# Altium PCB Adafruit nRF52840 Bluefruit Feather Express Rev D.PcbDoc
Units mm, origin at the board's own origin, x right, y up, seen from the top; angles counter-clockwise.
Board outline 50.8 x 22.86 mm, 4 copper layers (Top, Route2, Route15, Bottom), stack 2.11 mm thick; 44 components, 56 nets, 153 pads, 85 vias.
Unrouted connection lines stored in the file: 5.
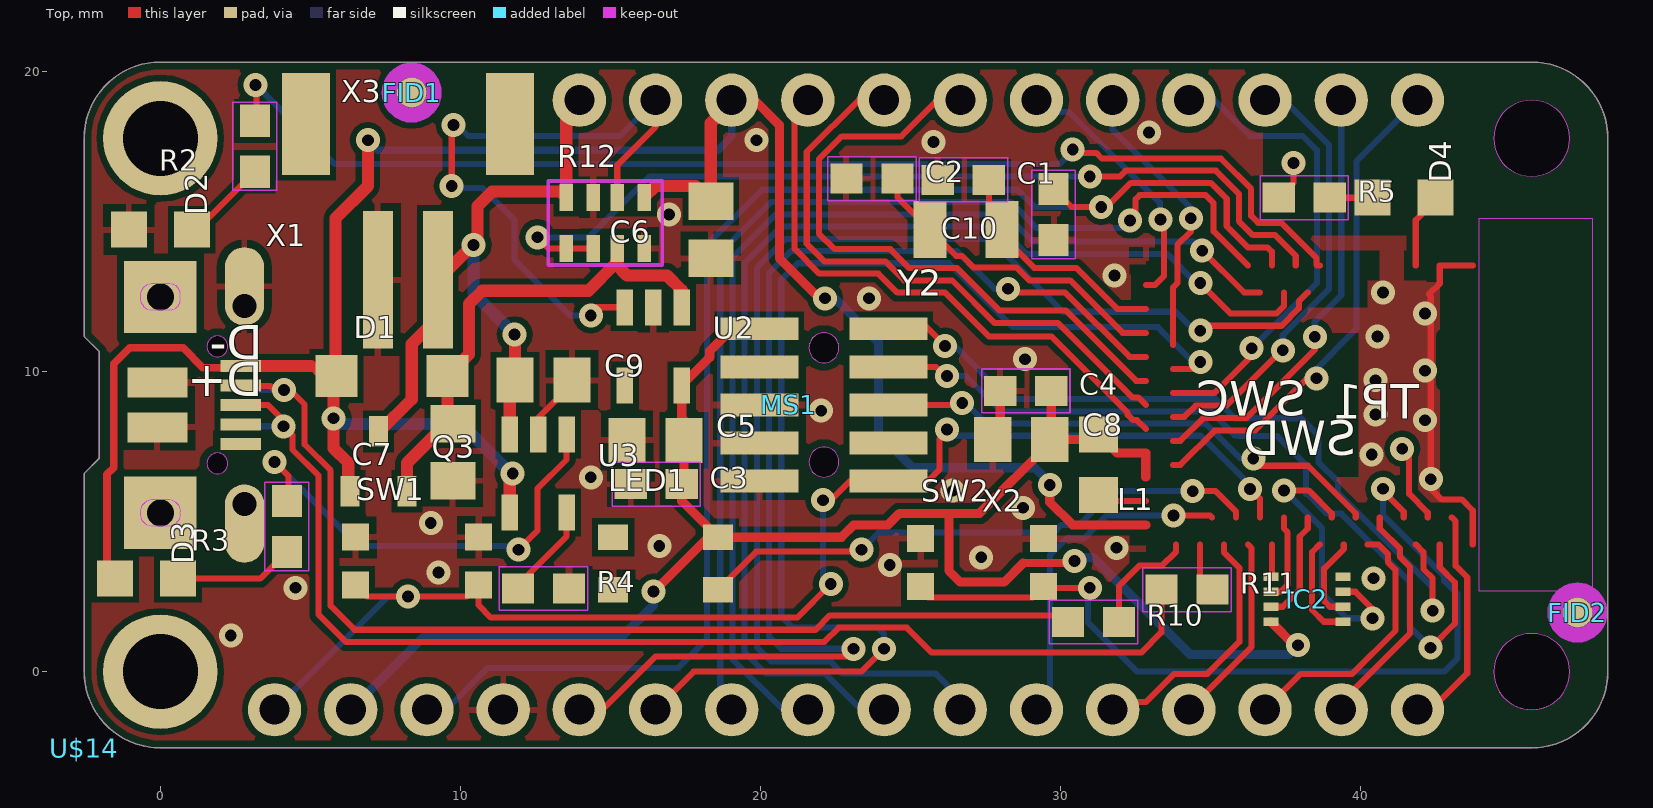
[diagram p0: Top view]
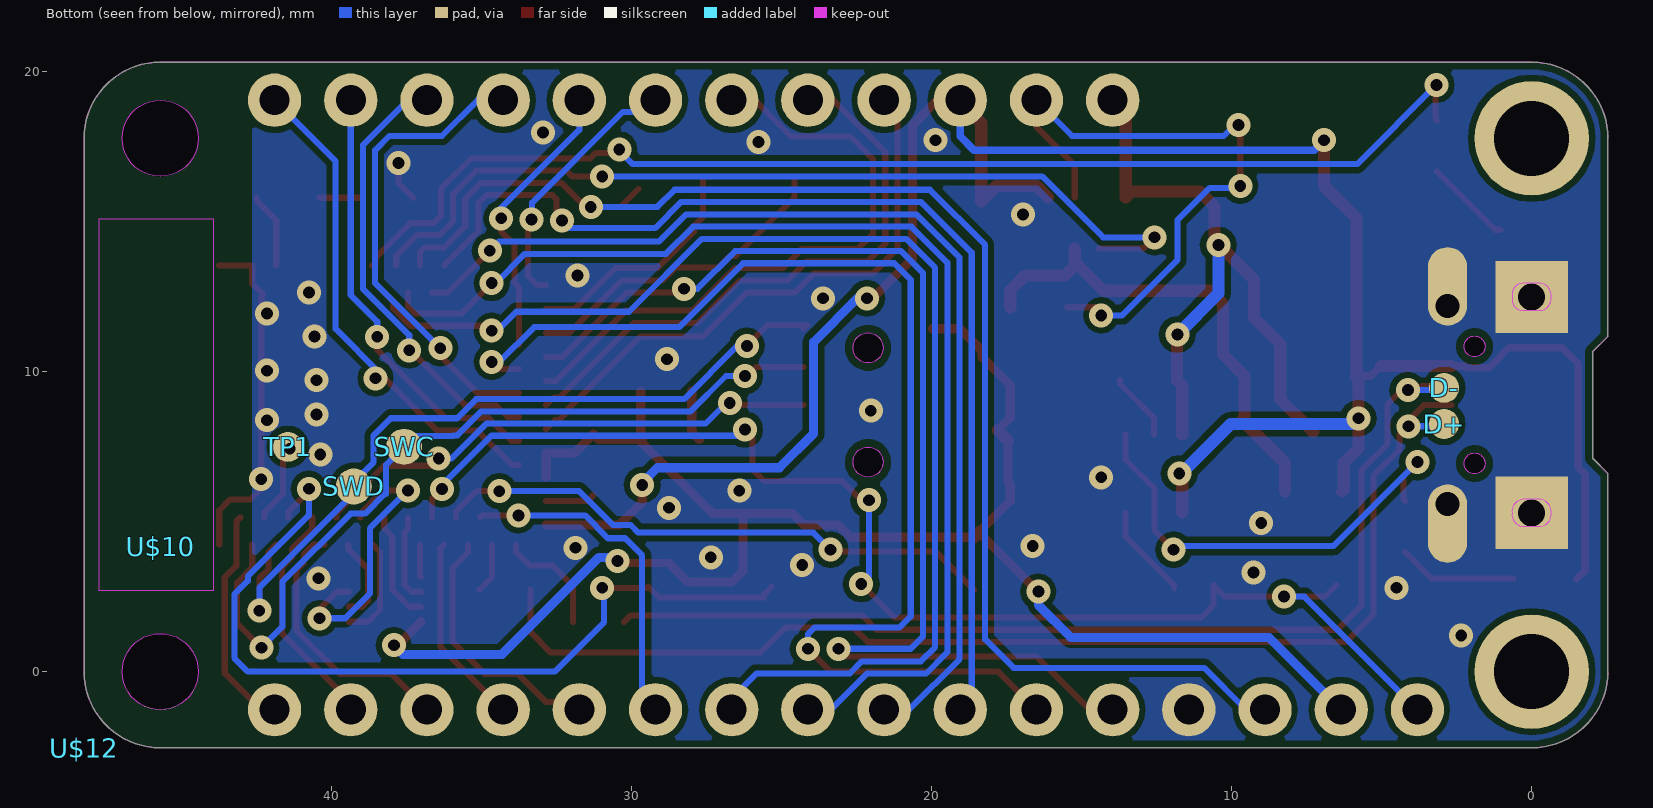
[diagram p1: Bottom view, seen from below]

## Layer stack, top to bottom
Top Solder: solder mask 0.0102, Solder Resist, Dk 3.5
Top: signal copper 0.035
Dielectric 1: dielectric 0.32, FR-4, Dk 4.8
Route2: signal copper 0.035
Dielectric 2: core 0.2, FR-4, Dk 4.8
Route15: signal copper 0.035
Dielectric 3: prepreg 1.45, FR-4, Dk 4.8
Bottom: signal copper 0.035
Bottom Solder: solder mask 0.0102, Solder Resist, Dk 3.5

## Board outline
-2.54,17.78 cw(c0,17.78) 0,20.32 45.72,20.32 cw(c45.72,17.78) 48.26,17.78 48.26,0 cw(c45.72,0) 45.72,-2.54 0,-2.54 cw(c0,0) -2.54,0 -2.54,6.604 -2.032,7.112 -2.032,10.668 -2.54,11.176
cut-out: 0.655,5.29 cw(c0.255,5.24) 0.305,4.84 -0.295,4.84 cw(c-0.245,5.24) -0.645,5.29 cw(c-0.245,5.34) -0.295,5.74 0.305,5.74 cw(c0.255,5.34)
cut-out: 1.905,6.59 ccw(c1.905,6.94) 2.255,6.94 ccw(c1.905,6.94) 1.905,7.29 ccw(c1.905,6.94) 1.555,6.94 ccw(c1.905,6.94)
cut-out: 1.905,10.49 ccw(c1.905,10.84) 2.255,10.84 ccw(c1.905,10.84) 1.905,11.19 ccw(c1.905,10.84) 1.555,10.84 ccw(c1.905,10.84)
cut-out: -0.245,12.94 0.305,12.94 cw(c0.305,12.59) 0.655,12.59 0.655,12.39 cw(c0.305,12.39) 0.305,12.04 -0.245,12.04 cw(c-0.27,12.415) -0.645,12.39 -0.645,12.59 cw(c-0.27,12.565)
cut-out: 22.123,6.485 ccw(c22.123,6.985) 22.623,6.985 ccw(c22.123,6.985) 22.123,7.485 ccw(c22.123,6.985) 21.623,6.985 ccw(c22.123,6.985)
cut-out: 22.123,10.295 ccw(c22.123,10.795) 22.623,10.795 ccw(c22.123,10.795) 22.123,11.295 ccw(c22.123,10.795) 21.623,10.795 ccw(c22.123,10.795)
cut-out: 45.72,-1.27 ccw(c45.72,0) 46.99,0 ccw(c45.72,0) 45.72,1.27 ccw(c45.72,0) 44.45,0 ccw(c45.72,0)
cut-out: 45.72,16.51 ccw(c45.72,17.78) 46.99,17.78 ccw(c45.72,17.78) 45.72,19.05 ccw(c45.72,17.78) 44.45,17.78 ccw(c45.72,17.78)

## Design rules (kind name [scope] priority, off if disabled: settings)
BoardOutlineClearance mdCopperDimension [All] p1: gap=0.254 ignorepadtopadclearanceinfootprint=FALSE except(0: Arc-SplitContinuation Track-SplitContinuation SMDPad-SplitContinuation THPad-SplitContinuation Via-SplitContinuation Fill-SplitContinuation Poly-SplitContinuation Region-SplitContinuation Text-SplitContinuation)
Clearance "Clearance (Same Net)" [All] p1: gap=0.203 ignorepadtopadclearanceinfootprint=FALSE
Clearance [All] p2: gap=0.203 ignorepadtopadclearanceinfootprint=FALSE
HoleSize HoleSize_For_NetClass_power [InNetClass('power')] p1: absolutevalues=TRUE maxlimit=0 minlimit=0 maxpercent=80.000 minpercent=20.000
HoleSize [All] p2: absolutevalues=TRUE maxlimit=2540 minlimit=0.394 maxpercent=80.000 minpercent=20.000
HoleToHoleClearance mdDrill [All] p1: gap=0.203 allowstackedmicrovias=TRUE
MinimumSolderMaskSliver [All] p1 off: minsoldermaskwidth=0.254
PasteMaskExpansion Expansion_SMDPaste_OFF [InPadClass('SMDPaste_OFF')] p1: expansion=0
PasteMaskExpansion mlMinCreamFrame [All] p2: expansion=0
PolygonConnect PolygonConnect_For_PolygonThermal_ON_Width80000_Gap100000 [InPolygonClass('PolygonThermal_ON_Width80000_Gap100000') vs Not IsVia] p1: connectstyle=Relief reliefconductorwidth=0.203 reliefentries=4 polygonreliefangle="90 Angle" airgapwidth=0.254
PolygonConnect ThermalVias [IsVia] p2: connectstyle=Direct reliefconductorwidth=0.254 reliefentries=4 polygonreliefangle="90 Angle" airgapwidth=0.254
PolygonConnect [All] p3: connectstyle=Relief reliefconductorwidth=0.254 reliefentries=4 polygonreliefangle="90 Angle" airgapwidth=0.254
RoutingVias [All] p1: holewidth=0.394 width=0.8 viastyle="Through Hole" minholewidth=0.394 minwidth=0.8 maxholewidth=2.54 maxwidth=2.54
SolderMaskExpansion Expansion_SMDSolder_OFF [InPadClass('SMDSolder_OFF')] p1: expansion=0 istentingtop=FALSE
SolderMaskExpansion mlMinStopFrame [All] p2: expansion=0.051 istentingtop=FALSE
Width Width_For_NetClass_power [InNetClass('power')] p1: maxlimit=0.254 minlimit=0.254 preferedwidth=0.254
Width [All] p2: maxlimit=0.254 minlimit=0.203 preferedwidth=0.203
26 further rules are at their usual default settings.

## Classes and differential pairs
polygon class PolygonThermal_ON_Width80000_Gap100000: Polygon_1_Net_GND Polygon_2_Net_GND
pad class SMDSolder_OFF: X1-D+ X1-D- X1-GND X1-ID X1-VBUS
pad class SMDPaste_OFF: D+-TP D--TP FID1-1 FID2-1 SWC-TP SWD-TP TP1-TP X1-D+ X1-D- X1-GND X1-ID X1-VBUS
net class power: 3.3V VBAT VBUS VHI

## Components (designator, comment, footprint, x,y, rotation, side; value= is the part's Value field where it differs from the comment)
C1 "22pF" 0603-NO 26.772,16.396 r180 top
C2 "22pF" 0603-NO 23.724,16.434 r180 top
C3 "0.1uF" 0603-NO 16.535,6.248 r0 top
C4 "0.1uF" 0603-NO 28.854,9.36 r0 top
C5 "10uF" 0805-NO 16.51,7.709 r0 top
C6 "10uF" 0805-NO 18.351,14.732 r90 top
C7 "10uF" 0805-NO 9.754,7.315 r90 top
C8 "10uF" 0805-NO 28.702,7.734 r0 top
C9 "10uF" 0805-NO 12.776,9.716 r180 top
C10 "0.1uF" 0603-NO 29.781,15.24 r90 top
D1 "MBR120" SOD-123 7.722,9.855 r180 top
D2 "RED" CHIPLED_0805_NOOUTLINE 0,14.732 r90 top
D3 "ORANGE" CHIPLED_0805_NOOUTLINE -0.457,3.099 r270 top
D4 "BLUE" CHIPLED_0805_NOOUTLINE 41.465,15.811 r90 top
D+ "TPTP10R" TP10R 2.921,8.255 r180 bottom
D- "TPTP10R" TP10R 2.921,9.461 r180 bottom
FID1 "" FIDUCIAL_1MM 8.382,19.304 r0 top
FID2 "" FIDUCIAL_1MM 47.244,1.968 r0 top
IC2 "" USON8 38.227,2.413 r180 top
L1 "DNP" _0805MP 31.28,6.896 r270 top
LED1 "WS2812B3535" LED3535 16.847,3.605 r180 top
MS1 "" FEATHERWING_NODIM -2.54,-2.54 r0 top
Q3 "DMG2305" SOT23-R 7.277,7.01 r0 top
R2 "1K" 0603-NO 3.15,17.513 r270 top
R3 "1K" 0603-NO 4.216,4.839 r90 top
R4 "4.7K" 0603-NO 12.776,2.769 r0 top
R5 "1K" 0603-NO 38.138,15.799 r180 top
R10 "22" 0603-NO 31.115,1.651 r0 top
R11 "22" 0603-NO 34.227,2.73 r0 top
R12 "100K" RESPACK_4X0603 14.834,14.961 r180 top
SW1 "KMR2" BTN_KMR2_4.6X2.8 8.56,3.683 r0 top
SW2 "KMR2" BTN_KMR2_4.6X2.8 27.394,3.632 r0 top
SWC "TPTP12R" TP12R 37.592,7.493 r180 bottom
SWD "TPTP12R" TP12R 39.268,6.172 r180 bottom
TP1 "TPTP10R" TP10R 41.465,7.493 r180 bottom
U2 "AP2112(3.3V)" SOT23-5 16.434,10.846 r180 top
U3 "MCP73831T-2ACI/OT" SOT23-5 12.598,6.604 r180 top
U$10 "" PCBFEAT-REV-056 45.702,4.176 r180 bottom
U$12 "" NRF52840_BOT 48.26,-2.54 r180 bottom
U$14 "" NRF52840_TOP -2.54,-2.54 r0 top
X1 "4u20329" 4UCONN_20329_V2 1.905,8.89 r270 top
X2 "2x5 0.05\"" 2X05_1.27MM_BOX_POSTS 22.123,8.89 r270 top
X3 "JSTPH" JSTPH2 8.255,16.764 r0 top
Y2 "32.768" XTAL3215 26.86,14.732 r0 top

## Footprints (in the part's own frame and the unit in brackets; to place one, negate y for a bottom-side part, rotate by r counter-clockwise, add the part's x,y. Pads: shape width x height; smd on the part's side, far side on the other; paste and mask are expansions set on the pad)
2X05_1.27MM_BOX_POSTS [mm] "2X05_1.27MM_BOX_POSTS"
  rect 0.76x2.6 smd: 1(-2.54,-2.15) 2(-2.54,2.15) 3(-1.27,-2.15) 4(-1.27,2.15) 5(0,-2.15) 6(0,2.15) 7(1.27,-2.15) 8(1.27,2.15) 9(2.54,-2.15) 10(2.54,2.15)
4UCONN_20329_V2 [mm] "4UCONN_20329_V2"
  rect 1x2 smd: BASE@1(-0.75,-2) BASE@2(0.75,-2)
  rect 0.4x1.35 smd paste+0 mask+0: D+(0,0.775) D-(-0.65,0.775) GND(1.3,0.775) ID(0.65,0.775) VBUS(-1.3,0.775)
  oval 2.616x1.308 hole 0.8 copper offset -0.654,0: SPRT@1(-3.3,0.9)
  oval 2.616x1.308 hole 0.8 copper offset 0.654,0: SPRT@2(3.3,0.9)
  rect 2.413x2.413 / inner round 2.229 / far side rect 2.413x2.413 hole 0.9: SPRT@3(-3.6,-1.9) SPRT@4(3.6,-1.9)
0603-NO [mm] "0603-NO"
  rect 1.075x1 smd: 1(-0.85,0) 2(0.85,0)
  Top keep-out lines w0.051: 1.473,0.729 -1.473,0.729 -1.473,-0.729 1.473,-0.729 1.473,0.729
0805-NO [mm] "0805-NO"
  rect 1.24x1.5 smd: 1(-0.95,0) 2(0.95,0)
_0805MP [mil] "_0805MP"
  rect 47.24x51.18 smd: 1(-40,0) 2(40,0)
BTN_KMR2_4.6X2.8 [mil] "BTN_KMR2_4.6X2.8"
  rect 35.43x35.43 smd: A(80.71,31.5) A'(-80.71,31.5) B(80.71,-31.5) B'(-80.71,-31.5)
CHIPLED_0805_NOOUTLINE [mm] "CHIPLED_0805_NOOUTLINE"
  rect 1.2x1.2 smd: A(0,-1.05) C(0,1.05)
FEATHERWING_NODIM [mil] "FEATHERWING_NODIM"
  round 70 hole 39.37: 1(250,50) 2(350,50) 3(450,50) 4(550,50) 5(650,50) 6(750,50) 7(850,50) 8(950,50) 9(1050,50) 10(1150,50) 11(1250,50) 12(1350,50) 13(1450,50) 14(1550,50) 15(1650,50) 16(1750,50) 17(1750,850) 18(1650,850) 19(1550,850) 20(1450,850) 21(1350,850) 22(1250,850) 23(1150,850) 24(1050,850) 25(950,850) 26(850,850) 27(750,850) 28(650,850)
  round 150 hole 98.43: P$1(100,800) P$2(100,100)
FIDUCIAL_1MM [mm] "FIDUCIAL_1MM"
  rrect100% 1x1 smd paste+0: 1(0,0)
  Top keep-out lines w0.5: -0.75,0 cw(c0,0) 0,0.75 ; -0.75,0 ccw(c0,0) 0,-0.75 ; -0.75,0 cw(c0,0) 0,0.75 ; -0.75,0 ccw(c0,0) 0,-0.75 ; 0,-0.75 ccw(c0,0) 0.75,0 ; 0,-0.75 ccw(c0,0) 0.75,0 ; 0,0.75 cw(c0,0) 0.75,0 ; 0,0.75 cw(c0,0) 0.75,0
JSTPH2 [mm] "JSTPH2"
  rect 1x4.6 smd: 1(-1,-3.7) 2(1,-3.7)
  rect 1.6x3.4 smd: NC1(-3.4,1.5) NC2(3.4,1.5)
LED3535 [mm] "LED3535"
  rect 1x0.85 smd: 1(-1.75,0.875) 2(-1.75,-0.875) 3(1.75,-0.875) 4(1.75,0.875)
NRF52840_BOT [mm] "NRF52840_BOT"
NRF52840_TOP [mm] "NRF52840_TOP"
PCBFEAT-REV-056 [mm] "PCBFEAT-REV-056"
RESPACK_4X0603 [mm] "RESPACK_4X0603"
  rect 0.45x0.9 smd: 1(-1.3,-0.85) 2(-0.4,-0.85) 3(0.4,-0.85) 4(1.3,-0.85) 5(1.3,0.85) 6(0.4,0.85) 7(-0.4,0.85) 8(-1.3,0.85)
  Top keep-out lines w0.127: 1.9,1.4 -1.9,1.4 -1.9,-1.4 1.9,-1.4 1.9,1.4
SOD-123 [mm] "SOD-123"
  rect 1.4x1.4 smd: A(1.85,0) C(-1.85,0)
SOT23-5 [mm] "SOT23-5"
  rect 0.55x1.2 smd: 1(-0.95,-1.3) 2(0,-1.3) 3(0.95,-1.3) 4(0.95,1.3) 5(-0.95,1.3)
SOT23-R [mm] "SOT23-R"
  rect 0.635x1.016 smd: 1(-0.95,-1) 2(0.95,-1) 3(0,1)
TP10R [mm] "TP10R"
  rrect100% 1x1 smd paste+0: TP(0,0)
TP12R [mm] "TP12R"
  rrect100% 1.2x1.2 smd paste+0: TP(0,0)
USON8 [mm] "USON8"
  rect 0.5x0.275 smd: 1(-1.2,0.75) 2(-1.2,0.25) 3(-1.2,-0.25) 4(-1.2,-0.75) 5(1.2,-0.75) 6(1.2,-0.25) 7(1.2,0.25) 8(1.2,0.75)
XTAL3215 [mm] "XTAL3215"
  rect 1.1x1.9 smd: P$1(1.2,0) P$2(-1.2,0)

## Part data
C1 C2 C3 C4 C10 R2 R3 R4 R5 R10 R11: library part 0603-NO, PackageName=0603-NO
C5 C6 C7 C8 C9: library part 0805-NO, PackageName=0805-NO
D1: library part SOD-123, PackageName=SOD-123
D2 D3 D4: library part CHIPLED_0805_NOOUTLINE, PackageName=CHIPLED_0805_NOOUTLINE
D+ D- TP1: library part TP10R, PackageName=TP10R
FID1 FID2: library part FIDUCIAL_1MM, PackageName=FIDUCIAL_1MM
IC2: library part USON8, PackageName=USON8
L1: library part _0805MP, PackageName=_0805MP
LED1: library part LED3535, PackageName=LED3535
MS1: library part FEATHERWING_NODIM, PackageName=FEATHERWING_NODIM
Q3: library part SOT23-R, PackageName=SOT23-R
R12: library part RESPACK_4X0603, PackageName=RESPACK_4X0603
SW1 SW2: library part BTN_KMR2_4.6X2.8, PackageName=BTN_KMR2_4.6X2.8
SWC SWD: library part TP12R, PackageName=TP12R
U2 U3: library part SOT23-5, PackageName=SOT23-5
U$10: library part PCBFEAT-REV-056, PackageName=PCBFEAT-REV-056
U$12: library part NRF52840_BOT, PackageName=NRF52840_BOT
U$14: library part NRF52840_TOP, PackageName=NRF52840_TOP
X1: library part 4UCONN_20329_V2, PackageName=4UCONN_20329_V2
X2: library part 2X05_1.27MM_BOX_POSTS, PackageName=2X05_1.27MM_BOX_POSTS
X3: library part JSTPH2, PackageName=JSTPH2
Y2: library part XTAL3215, PackageName=XTAL3215

## Free pads (board coordinates)
  round 0.7 hole 0.7 unplated: MH1(1.905,10.84) MH2(1.905,6.94)
  round 1 hole 1 unplated: MH1(22.123,10.795) MH2(22.123,6.985)
  round 2.54 hole 2.54 unplated: MH1(45.72,17.78) MH2(45.72,0)

## Via types
v1: diameter 0.8/0.8/0.8/0.8 (per signal layer), hole 0.394, Top to Bottom, 85 vias

## Nets (pads, with @x,y where several pads share a name; then routed paths per layer and width w, separated by ;. In a path a pad name is that pad's centre, name@x,y a point inside that pad or via, vN(x,y) a via of type N, cw(c..) or ccw(c..) an arc to the next point about the centre after c; other vN are vias at no path point)
3.3V: C3.2 C4.2 C5.2 C8.2 IC2.8 L1.1 LED1.2 MS1.2 U2.5 X2.1 | length 59.4
  Top w0.254: 28.766,3.62 30.417,3.62 v1(30.48,3.683)
  Top w0.305: v1(16.447,2.667) 18.428,4.649 17.385,5.692 C3.2 17.46,6.323 C5.2 ; C5.2@17.797,8.045 17.384,8.458 U2.5 18.318,10.48 18.318,10.687 19.06,11.43 X2.1 ; LED1.2 22.705,4.48 23.114,4.889 24.257,4.889 24.638,5.271 26.289,5.271 ; 28.766,3.62 28.13,2.984 26.67,2.984 26.289,3.365 26.289,5.271 ; C4.2 29.704,7.787 C8.2 ; 32.855,6.49 32.855,7.29 31.902,7.29 L1.1 31.102,7.734 C8.2 ; IC2.8 37.809,0.881 v1(37.933,0.881) ; 26.289,5.271 27.305,5.271 29.652,7.617 C8.2
  Top w0.406: C5.2 C5.2@17.797,8.045 ; LED1.2@18.428,4.649 LED1.2
  Bottom w0.305: MS1.2 8.763,1.143 15.367,1.143 16.447,2.222 v1(16.447,2.667) ; v1(30.48,3.683) 30.607,3.81 31.094,3.81 34.332,0.572 37.623,0.572 v1(37.933,0.881)
A0: MS1.5 | length 39.4
  Top w0.203: MS1.5 14.732,-1.27 16.51,0.508 22.86,0.508 v1(23.114,0.762) ; v1(28.258,12.763) 28.384,12.636 30.166,12.636 32.312,10.49 32.855,10.49
  Bottom w0.203: v1(23.114,0.762) 20.701,0.762 20.296,1.167 20.296,13.295 21.022,14.021 26.556,14.021 27.813,12.763 v1(28.258,12.763)
A1: MS1.6 | length 40.4
  Top w0.203: MS1.6 17.78,0 23.368,0 v1(24.13,0.762) ; 33.755,10.09 34.436,10.09 v1(34.671,10.325)
  Bottom w0.203: v1(24.13,0.762) 24.13,1.251 23.914,1.467 21.077,1.467 20.703,1.841 20.703,13.063 21.254,13.614 26.289,13.614 28.416,11.487 33.255,11.487 34.417,10.325 v1(34.671,10.325)
A2: MS1.7 | length 36.3
  Top w0.203: v1(32.332,15.039) 32.512,15.218 32.512,15.748 32.651,15.887 34.85,15.887 35.115,15.621 35.115,14.679 36.255,13.54
  Bottom w0.203: MS1.7 18.669,-0.889 18.669,13.967 20.361,15.659 28.346,15.659 29.221,14.785 32.078,14.785 v1(32.332,15.039)
A3: MS1.8 | length 35.8
  Top w0.203: v1(34.734,14.034) 36.128,12.64 36.655,12.64
  Bottom w0.203: MS1.8 20.764,-1.27 19.075,0.419 19.075,13.799 20.517,15.24 28.191,15.24 29.097,14.334 34.434,14.334 v1(34.734,14.034)
A4: MS1.9 | length 38.7
  Top w0.203: v1(34.671,12.954) 35.687,11.938 37.211,11.938 37.455,12.182 37.455,12.64
  Bottom w0.203: MS1.9 23.368,-1.27 22.162,-0.064 20.193,-0.064 19.482,0.648 19.482,13.63 20.685,14.834 27.959,14.834 28.865,13.927 33.567,13.927 34.541,12.954 v1(34.671,12.954)
A5: MS1.10 | length 41.2
  Top w0.203: v1(34.671,11.367) 34.836,11.532 37.379,11.532 37.96,12.112 37.96,12.345 38.255,12.64
  Bottom w0.203: MS1.10 26.67,-0.889 25.843,-0.062 22.735,-0.062 22.33,0.343 20.361,0.343 19.888,0.816 19.888,13.462 20.854,14.427 27.664,14.427 30.094,11.997 33.85,11.997 34.48,11.367 v1(34.671,11.367)
AREF: C10.2 MS1.3 | length 47.4
  Top w0.203: C10.2 30.377,15.494 v1(31.369,15.494) 31.555,15.494 32.355,16.293 35.018,16.293 35.553,15.758 35.553,14.85 36.258,14.145 36.909,14.145 37.055,13.999 37.055,13.54
  Bottom w0.203: MS1.3 9.525,-1.27 10.922,0.127 17.272,0.127 18.224,1.079 18.224,14.224 20.066,16.066 28.575,16.066 29.146,15.494 v1(31.369,15.494)
D2: MS1.16 | length 7.6
  Top w0.203: MS1.16 42.357,-1.27 43.569,-0.058 43.569,3.138 43.18,3.528 43.18,5.015 43.055,5.14
D5: MS1.19 | length 14.8
  Top w0.203: 33.755,8.49 34.136,8.49 34.517,8.871 35.544,8.871 37.385,10.712 v1(37.421,10.712)
  Bottom w0.203: MS1.19 37.465,19.05 38.964,17.551 38.964,12.763 37.421,11.22 v1(37.421,10.712)
D6: MS1.20 | length 15.9
  Top w0.203: 33.755,9.29 35.147,9.29 36.386,10.528 v1(36.386,10.782)
  Bottom w0.203: MS1.20 35.142,19.05 36.335,17.856 38.084,17.856 38.557,17.383 38.557,12.954 v1(36.386,10.782)
D9: MS1.21 | length 9.5
  Top w0.203: 33.755,10.89 33.755,12.8 33.909,12.954 33.909,14.224 34.353,14.668 v1(34.353,15.113)
  Bottom w0.203: MS1.21 31.75,18.06 34.353,15.457 v1(34.353,15.113)
D10: MS1.22 | length 8.8
  Top w0.203: 32.855,12.89 33.165,12.89 33.46,13.185 33.46,14.956 v1(33.341,15.075)
  Bottom w0.203: MS1.22 29.604,18.656 30.299,18.656 33.323,15.632 33.323,15.093 v1(33.341,15.075)
D11: MS1.23 | length 20.9
  Top w0.203: MS1.23 25.908,19.05 24.701,17.843 22.72,17.843 21.958,17.081 21.958,14.605 22.479,14.084 24.337,14.084 24.972,13.449 26.562,13.449 27.972,12.04 30.188,12.04 32.537,9.69 32.855,9.69
D12: MS1.24 | length 19.9
  Top w0.203: MS1.24 23.278,19.05 21.552,17.324 21.552,14.265 22.139,13.678 24.168,13.678 24.803,13.043 26.394,13.043 27.816,11.62 29.934,11.62 32.41,9.144 32.601,9.144 32.855,8.89
D13: MS1.25 | length 19.4
  Top w0.203: MS1.25 21.145,18.605 21.145,14.097 21.971,13.271 23.939,13.271 24.575,12.636 26.162,12.636 27.622,11.176 29.706,11.176 32.25,8.631 32.25,8.564 32.429,8.385 32.56,8.385 32.855,8.09
D+: D+.TP R11.1 X1.D+ | length 40.7
  Top w0.203: X1.D+ 3.59,8.89 4.217,8.263 v1@4.217,8.072 ; v1(4.109,8.18) v1@4.217,8.072 ; R11.1 33.377,1.309 32.703,0.635 25.717,0.635 24.886,1.467 22.616,1.467 22.139,0.991 6.185,0.991 5.271,1.905 5.271,6.54 4.407,7.404 4.407,7.881 v1@4.217,8.072
  Bottom w0.203: D+.TP 2.996,8.18 v1(4.109,8.18)
D-: D-.TP R10.1 X1.D- | length 36.2
  Top w0.203: X1.D- 2.698,9.522 3.672,9.522 v1@3.799,9.395 ; v1(4.127,9.384) 3.81,9.384 v1@3.799,9.395 ; R10.1 30.043,1.873 22.32,1.873 21.844,1.397 6.477,1.397 5.677,2.197 5.677,6.709 4.814,7.572 4.814,8.906 4.324,9.395 v1@3.799,9.395
  Bottom w0.203: D-.TP 2.999,9.384 v1(4.127,9.384)
DCCH: L1.2 | length 1.7
  Top w0.203: L1.2 31.47,5.69 32.855,5.69
EN: MS1.27 R12.2 U2.3 | length 21.8
  Top w0.203: v1(9.716,16.192) 9.716,18.161 v1(9.779,18.224) ; v1(14.351,11.874) 14.351,12.146 U2.3 ; R12.2 15.234,16.885 16.51,18.161 MS1.27
  Bottom w0.203: v1(9.716,16.192) 9.779,16.129 10.731,16.129 11.811,15.05 11.811,13.716 13.652,11.874 v1(14.351,11.874) ; v1(9.779,18.224) 9.906,18.224 10.274,17.856 15.316,17.856 MS1.27
GND: C1.2 C2.2 C3.1 C4.1 C5.1 C6.1 C7.1 C8.1 C9.1 C10.1 D2.C IC2.4 LED1.4 MS1.4 R4.2 R5.2 R12.3 R12.8 SW1.A SW1.A' SW2.A SW2.A' U2.2 U3.2 X1.BASE@1 X1.BASE@2 X1.GND X1.SPRT@1 X1.SPRT@2 X1.SPRT@3 X1.SPRT@4 X2.3 X2.5 X2.7 X2.9 X3.1 | length 16.9
  Top w0.203: U3.2 12.598,8.461 13.726,9.588 C9.1 ; R5.2 37.782,16.293 v1(37.782,16.954) ; 43.755,4.24 43.755,5.371 43.381,5.745 42.706,5.745 42.355,6.096 42.355,12.509 42.291,12.573 42.655,12.937 42.655,13.54 43.755,13.54
  Top w0.305: C8.1 28.005,7.987 C4.1
  other v1: 2.349,1.206 4.508,2.794 40.45,3.111 9.271,3.302 24.32,3.556 27.368,3.81 31.877,4.127 16.637,4.191 9.017,4.953 28.765,5.461 26.416,6.032 42.355,6.413 14.351,6.477 40.386,7.239 42.164,8.382 40.513,8.572 22.034,8.7 40.513,9.716 42.164,10.033 28.829,10.414 40.576,11.176 42.164,11.938 23.622,12.446 40.767,12.636 31.813,13.208 16.954,15.24 25.781,17.653 19.875,17.716 32.956,17.97
LED1: R2.1 | length 40.3
  Top w0.203: R2.1 3.213,18.427 3.213,19.52 v1(3.175,19.558) ; v1(30.416,17.405) 30.527,17.295 31.2,17.295 31.389,17.106 35.355,17.106 36.366,16.095 36.366,15.196 36.604,14.958 37.368,14.958 38.55,13.776 38.55,13.55 38.561,13.54 38.655,13.54
  Bottom w0.203: v1(3.175,19.558) 5.817,16.916 29.972,16.916 30.416,17.361 v1(30.416,17.405)
LED2: D4.A | length 2.5
  Top w0.203: 41.855,13.54 41.855,15.054 42.516,15.714 D4.A
MISO: MS1.13 | length 6.4
  Top w0.203: MS1.13 36.382,0.822 36.382,4.113 36.255,4.24
MOSI: MS1.12 | length 9.1
  Top w0.203: MS1.12 31.496,-1.016 32.856,-1.016 33.795,-0.076 34.909,-0.076 35.976,0.99 35.976,3.458 35.455,3.978 35.455,4.24
N$1: D3.C R3.1 | length 4
  Top w0.203: D3.C 3.326,3.099 R3.1
N$5: D2.A R2.2 | length 2.9
  Top w0.203: D2.A 1.218,14.732 R2.2
N$7: C1.1 Y2.P$1 | length 8
  Top w0.203: C1.1 27.621,15.171 Y2.P$1@27.937,14.856 ; Y2.P$1 Y2.P$1@27.937,14.856 ; 32.855,12.09 31.902,12.09 30.531,13.462 29.13,13.462 27.937,14.656 Y2.P$1@27.937,14.856
N$8: C2.1 Y2.P$2 | length 10.8
  Top w0.203: C2.1 24.573,15.819 Y2.P$2 26.537,13.856 26.73,13.856 27.118,13.468 28.549,13.468 28.975,13.043 30.334,13.043 32.087,11.29 32.855,11.29
N$11: R3.2 U3.1 | length 15.4
  Top w0.203: v1(3.81,6.985) 4.28,6.515 4.28,5.752 R3.2 ; v1(11.938,4.064) 12.573,4.699 12.573,6.096 13.548,7.071 U3.1
  Bottom w0.203: v1(3.81,6.985) 6.604,4.191 11.811,4.191 v1(11.938,4.064)
N$12: R4.1 U3.5 | length 3.2
  Top w0.203: R4.1 11.926,2.896 13.548,4.518 U3.5
N$14: D4.C R5.1 | length 1.4
  Top w0.203: R5.1 40.403,15.799 D4.C
NEOPIX: LED1.1 | length 19.1
  Top w0.203: LED1.1 19.867,4 23.312,4 v1(23.376,4.064) ; v1(34.417,6.015) 35.179,6.015 35.855,5.339 35.855,5.14
  Bottom w0.203: v1(23.376,4.064) 23.948,4.635 29.79,4.635 30.044,4.889 30.632,4.889 31.758,6.015 v1(34.417,6.015)
NFC2: TP1.TP | length 2.7
  Top w0.203: v1(41.402,7.429) 41.631,7.201 41.631,5.928 42.255,5.303 42.255,5.14
  Bottom w0.203: v1(41.402,7.429) TP1.TP
QSPI_CS: IC2.1 | length 3.5
  Top w0.203: 38.655,4.24 38.395,3.98 38.395,2.055 38.787,1.663 IC2.1
QSPI_DATA0: IC2.5 | length 1.1
  Top w0.203: IC2.5 37.055,3.191 37.055,4.24
QSPI_DATA1: IC2.2 | length 2.9
  Top w0.203: IC2.2 38.992,2.163 38.801,2.354 38.801,3.432 39.455,4.086 39.455,4.24
QSPI_DATA2: IC2.3 | length 9.6
  Top w0.203: v1(37.465,6.043) 38.283,6.043 39.055,5.271 39.055,5.14 ; IC2.3 39.842,2.663 40.41,2.095 v1(40.41,1.778)
  Bottom w0.203: v1(37.465,6.043) 38.735,4.773 38.735,2.603 39.56,1.778 v1(40.41,1.778)
QSPI_DATA3: IC2.7 | length 3.7
  Top w0.203: IC2.7 37.42,2.163 37.988,2.731 37.988,4.504 38.255,4.771 38.255,5.14
QSPI_SCK: IC2.6 | length 2.9
  Top w0.203: IC2.6 37.346,2.663 37.582,2.899 37.582,4.644 37.455,4.771 37.455,5.14
RESET: MS1.1 SW1.B SW1.B' X2.10 | length 44.2
  Top w0.203: SW1.B' 6.891,2.502 v1(8.255,2.502) 10.229,2.502 SW1.B 10.61,2.217 11.024,1.803 21.234,1.803 v1(22.352,2.921) ; v1(22.098,5.715) 22.352,5.715 22.987,6.35 X2.10 25.584,6.35 25.971,6.737 25.971,7.753 26.226,8.007 v1(26.226,8.071) ; v1(36.333,6.085) 36.655,5.763 36.655,5.14
  Bottom w0.203: MS1.1 7.582,2.502 v1(8.255,2.502) ; v1(22.098,5.715) 22.098,3.175 v1(22.352,2.921) ; v1(26.226,8.071) 26.433,7.863 34.682,7.863 36.333,6.212 v1(36.333,6.085)
RXD: MS1.14 | length 8.9
  Top w0.203: MS1.14 38.024,-0.076 39.735,-0.076 41.178,1.367 41.178,3.396 40.925,3.649 40.925,3.926 40.611,4.24 40.255,4.24
SCK: MS1.11 | length 11.3
  Top w0.203: v1(33.782,5.207) 34.988,5.207 35.055,5.14
  Bottom w0.203: MS1.11 29.654,-0.826 29.654,3.873 30.226,4.445 30.797,4.445 31.559,5.207 v1(33.782,5.207)
SCL: MS1.18 | length 14.7
  Top w0.203: 33.755,7.69 34.009,7.69 34.771,8.452 36.208,8.452 38.488,10.732 v1(38.488,11.163)
  Bottom w0.203: v1(38.488,11.163) 38.488,11.671 39.37,12.554 MS1.18
SDA: MS1.17 | length 16.9
  Top w0.203: 33.755,6.89 34.009,6.89 35.152,8.033 36.481,8.033 38.386,9.938 v1(38.544,9.779)
  Bottom w0.203: v1(38.544,9.779) 38.386,9.938 39.878,11.43 39.878,17.018 MS1.17
SWCLK: SWC.TP X2.4 | length 27.4
  Top w0.203: X2.4 25.857,10.16 26.162,9.855 v1(26.226,9.855) ; v1(42.348,0.798) 43.163,1.612 43.163,2.97 42.655,3.478 42.655,4.24
  Bottom w0.203: v1(26.226,9.855) 26.86,9.855 28.04,8.676 35.019,8.676 35.821,7.874 35.941,7.874 35.966,7.849 37.236,7.849 SWC.TP 38.202,6.883 38.202,5.928 38.233,5.928 38.893,5.267 39.373,5.267 41.65,2.991 41.65,1.496 v1(42.348,0.798)
SWDIO: SWD.TP X2.2 | length 26
  Top w0.203: X2.2 24.147,11.557 25.463,11.557 v1(26.162,10.858) ; 41.855,4.24 42.109,3.986 42.109,3.421 42.418,3.111 v1(42.418,2.032)
  Bottom w0.203: v1(26.162,10.858) 26.479,10.858 28.256,9.082 35.187,9.082 35.824,8.445 38.036,8.445 38.608,7.874 38.608,6.985 39.268,6.325 SWD.TP 39.268,5.947 42.418,2.797 v1(42.418,2.032)
SWITCH: SW2.B SW2.B' | length 28.3
  Top w0.203: SW2.B' 25.59,2.586 25.59,2.476 29.088,2.476 SW2.B 29.482,2.794 v1(30.988,2.794) ; v1(40.767,6.096) 40.767,6.019 41.455,5.33 41.455,5.14
  Bottom w0.203: v1(30.988,2.794) 30.924,2.73 30.924,1.651 32.575,0 42.799,0 43.25,0.451 43.25,2.578 42.799,3.029 42.799,3.175 40.767,5.207 v1(40.767,6.096)
SWO: X2.6 | length 17.4
  Top w0.203: X2.6 26.607,8.89 26.733,9.017 v1(26.733,8.954) ; v1(36.439,7.102) 36.459,7.102 36.697,6.864 38.262,6.864 39.855,5.271 39.855,5.14
  Bottom w0.203: v1(26.733,8.954) 26.86,8.954 27.545,8.269 34.85,8.269 36.017,7.102 v1(36.439,7.102)
TXD: MS1.15 | length 7.8
  Top w0.203: MS1.15 39.37,-1.016 41.656,1.27 41.656,3.492 41.331,3.817 41.331,4.095 40.655,4.771 40.655,5.14
USBD+: R11.2 | length 1.7
  Top w0.203: 34.655,4.24 34.655,3.152 R11.2
USBD-: R10.2 | length 3.8
  Top w0.203: R10.2 31.965,2.857 32.649,3.542 33.41,3.542 33.855,3.986 33.855,4.24
VBAT: C9.2 MS1.28 Q3.3 R12.4 U3.3 X3.2 | length 22.5
  Top w0.305: v1@10.302,14.08 v1(10.446,14.224) ; v1(11.811,11.239) v1@11.826,11.224
  Top w0.406: Q3.3 7.312,8.01 8.382,9.08 8.382,10.922 9.255,11.795 X3.2 10.271,14.08 v1@10.302,14.08 ; v1(10.446,14.224) 10.573,14.351 10.573,15.517 11.057,16.001 13.343,16.001 R12.4 13.534,18.614 MS1.28 ; U3.3 11.648,9.538 C9.2 v1@11.826,11.224
  Bottom w0.406: v1(10.446,14.224) 10.446,12.604 v1(11.811,11.239)
VBUS: C6.2 D1.A D3.A MS1.26 Q3.1 R12.1 U3.4 X1.VBUS | length 80.6
  Top w0.254: D3.A -1.778,3.37 -1.778,6.573 -1.552,6.799 -1.552,10.259 -1.016,10.795 0.762,10.795 1.423,10.134 2.197,10.134 2.253,10.19 X1.VBUS ; 5.029,10.19 5.364,9.855 D1.A ; MS1.26@19.05,18.984 MS1.26
  Top w0.305: MS1.26 19.812,19.05 20.637,18.224 20.637,13.779 21.971,12.446 v1(22.162,12.446) ; v1(29.654,6.223) 29.654,5.651 30.416,4.89 32.855,4.89
  Top w0.406: X1.VBUS 5.029,10.19 ; D1.A D1.A@5.842,9.885 ; Q3.1 6.264,6.074 6.264,6.963 5.779,7.448 v1(5.779,8.445) 5.779,9.948 D1.A@5.842,9.885 ; v1(6.921,17.716) 6.921,16.192 5.842,15.113 D1.A@5.842,9.885 ; U3.4 11.648,6.604 v1(11.747,6.604) ; R12.1 16.513,16.19 17.843,16.19 C6.2 18.351,18.285 MS1.26@19.05,18.984
  Bottom w0.254: v1(6.921,17.716) 7.252,17.386 18.593,17.386 19.05,17.843 MS1.26
  Bottom w0.305: v1(22.162,12.446) 22.479,12.446 23.939,10.986 23.939,7.938 25.082,6.794 29.146,6.794 29.654,6.286 v1(29.654,6.223)
  Bottom w0.406: v1(5.779,8.445) 5.969,8.255 10.033,8.255 11.747,6.54 v1(11.747,6.604)
VDIV: R12.5 R12.6 | length 30.2
  Top w0.203: v1(12.573,14.478) 12.94,14.111 R12.5 R12.6 ; v1(30.988,16.51) 31.997,16.51 32.187,16.7 35.186,16.7 35.96,15.926 35.96,15.018 36.427,14.551 37.165,14.551 37.855,13.862 37.855,13.54
  Bottom w0.203: v1(12.573,14.478) 14.287,14.478 16.319,16.51 v1(30.988,16.51)
VHI: C7.2 D1.C Q3.2 R12.7 U2.1 | length 16.4
  Top w0.406: Q3.2 8.227,6.957 C7.2@9.644,8.374 ; C7.2 C7.2@9.644,8.374 ; R12.7 15.234,13.659 15.17,13.595 ; U2.1 17.384,12.715 16.891,13.208 15.557,13.208 15.17,13.595 ; C7.2@9.644,8.374 9.571,8.447 D1.C 10.287,10.571 10.287,12.255 10.731,12.7 14.275,12.7 15.17,13.595
pads on no net: FID1.1 FID2.1 LED1.3 MS1.P$1 MS1.P$2 U2.4 X1.ID X2.8 X3.NC1 X3.NC2

## Polygon pours and split planes (outlines as drawn)
GND on Bottom "Polygon_2_Net_GND" (solid, remove dead copper, pour order 0): -2.642,-2.642 42.647,-2.642 42.647,20.422 -2.642,20.422
GND on Top "Polygon_1_Net_GND" (solid, remove dead copper, pour order 1): -2.642,-2.642 42.647,-2.642 42.647,20.422 -2.642,20.422

## Keep-outs
Keep-Out Layer:
  rectangle: 43.955,2.69 47.755,15.09
  lines w0: -2.54,0 ccw(c0,0) 0,-2.54 45.72,-2.54 ccw(c45.72,0) 48.26,0 48.26,17.78 ccw(c45.72,17.78) 45.72,20.32 0,20.32 ccw(c0,17.78) -2.54,17.78 -2.54,11.176 -2.032,10.668 -2.032,7.112 -2.54,6.604 -2.54,0

## Silkscreen, mask and mechanical layers (free items; w line width, h text height)
Dimension:
  the board outline again, w0

## Dimensions
0,0 to 0,17.653 on tFinish
1.27,-2.54 to 5.969,20.32 on tFinish
0,17.78 to 45.72,17.526 on tFinish
-2.54,16.51 to 48.26,15.621 on tFinish

## Text inside footprints (layer, text, board x,y; h text height)
D2: tDocu "A" at 1.4,14.632 h0.39 r90; tDocu "C" at -1.2,14.632 h0.39 r90
D3: tDocu "A" at -1.857,3.199 h0.39 r270; tDocu "C" at 0.743,3.199 h0.39 r270
D4: tDocu "A" at 42.866,15.711 h0.39 r90; tDocu "C" at 40.266,15.711 h0.39 r90
D+: Bottom 3D Body ">TP_SIGNAL_NAME" at 2.921,6.35 h1.55
D-: Bottom 3D Body ">TP_SIGNAL_NAME" at 2.921,7.556 h1.55
SWC: Bottom 3D Body ">TP_SIGNAL_NAME" at 37.592,4.953 h1.55
SWD: Bottom 3D Body ">TP_SIGNAL_NAME" at 39.268,3.632 h1.55
TP1: Bottom 3D Body ">TP_SIGNAL_NAME" at 41.465,5.588 h1.55
U$10: tPlace ">REV" at 46.207,3.462 h2.2
X1: tDocu "PCB EDGE" at -2.095,8.89 h0.63 r270